# Altium PCB FPGA_SHIELD_MARK1_RA1_2.PcbDoc (part 2 of 4)
Units mil, origin at the board's own origin, x right, y up, seen from the top; angles counter-clockwise.
Board outline 3471 x 2686 mil, 4 copper layers (Top Layer, GND, VDD, Bottom Layer); 176 components, 185 nets, 820 pads, 591 vias.
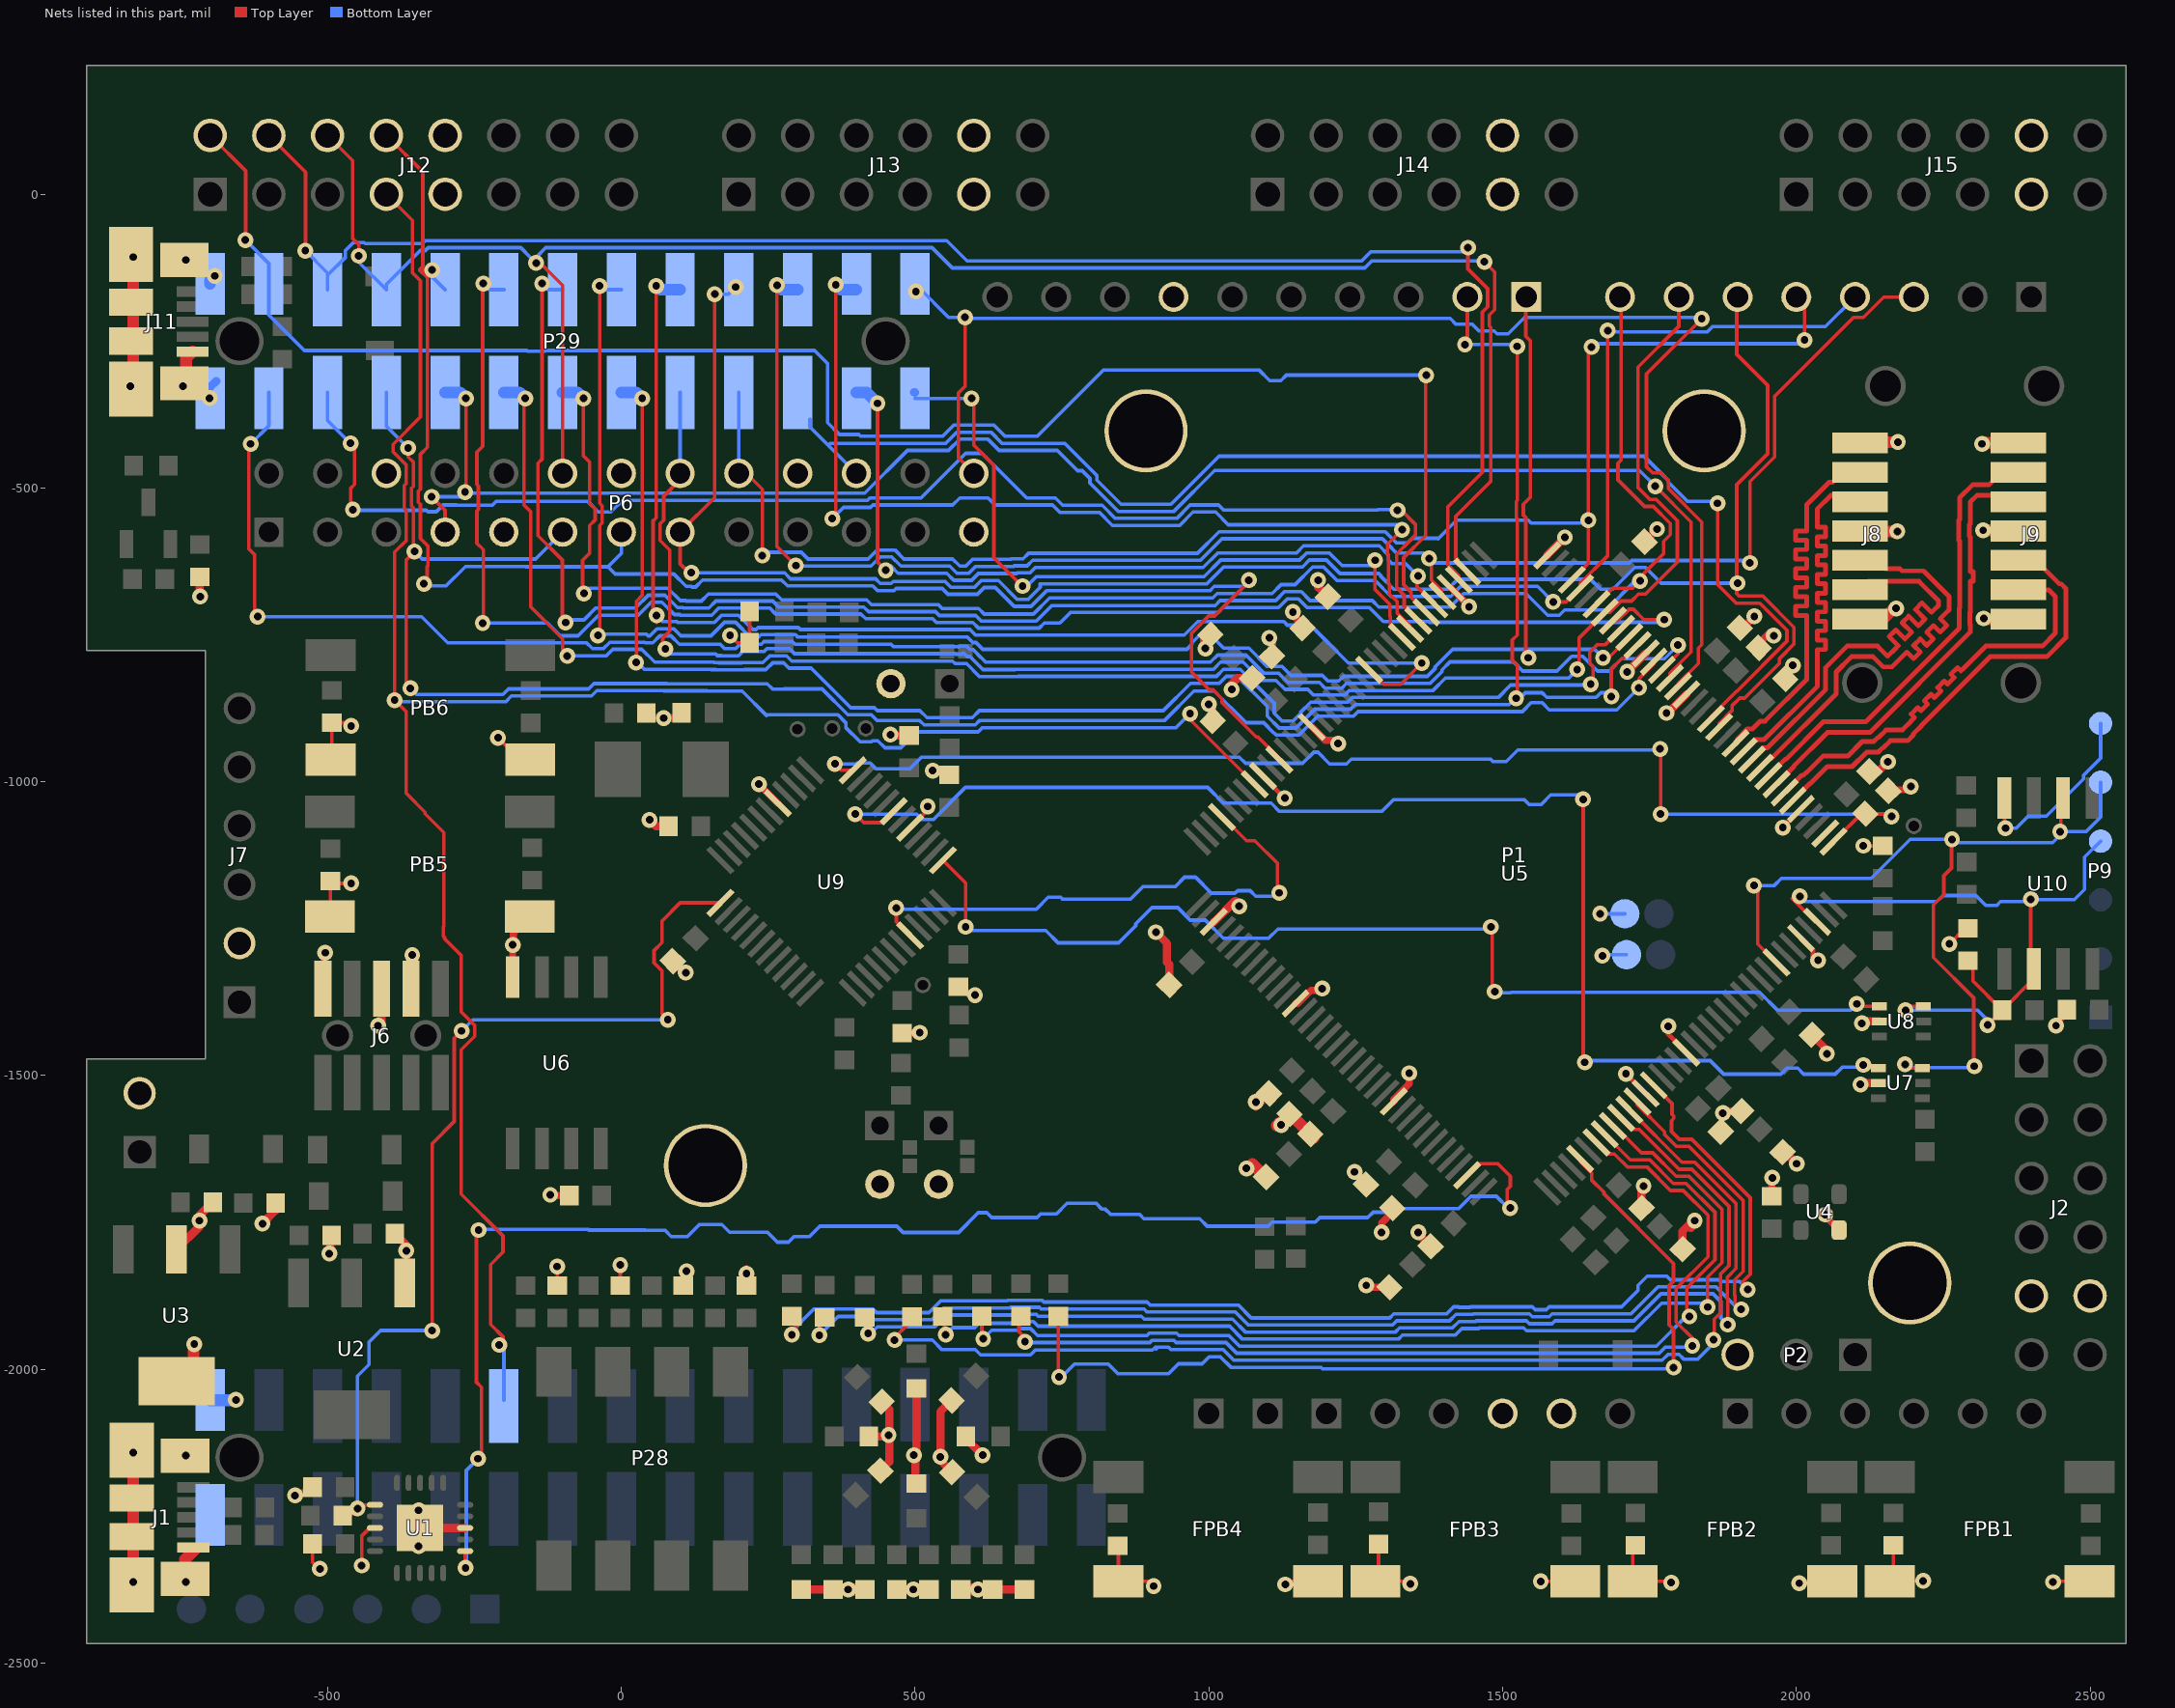
[diagram p4: the nets of this part, all layers, seen from the top]

## Via types
v1: diameter 27, hole 13, Top Layer to Bottom Layer, 574 vias
v2: diameter 27, hole 13, Top Layer to Bottom Layer, tented both sides, 17 vias

## Nets (pads, with @x,y where several pads share a name; then routed paths per layer and width w, separated by ;. In a path a pad name is that pad's centre, name@x,y a point inside that pad or via, vN(x,y) a via of type N, cw(c..) or ccw(c..) an arc to the next point about the centre after c; other vN are vias at no path point) (continued)
FPGA_SLAVE_CFG_CCLK: P9.4 R31.2 R34.1 U5.70 U8.6 U10.6 | length 1210.7
  Top Layer w6: v1(2006,-1195) 2002,-1199 1993,-1199 2032.12,-1238.12 U5.70@2035.63,-1238.12 ; v1(2186,-1389) 2192.59,-1382.41 U8.6@2215.92,-1382.41 ; R34.1@2301,-1306.56 2301,-1339.56 R31.2@2350.44,-1389 ; v1(2325.5,-1413.94) R31.2@2350.44,-1389 ; v1(2399,-1200) 2399,-1287.32 2400,-1288.32 U10.6@2400,-1318.67 ; U10.6@2404,-1318.67 2404,-1335.44 R31.2@2350.44,-1389
  Bottom Layer w6: v1(2006,-1195) 2015,-1204 2239.18,-1204 2249.68,-1193.5 2305.84,-1193.5 2322.68,-1210.34 2341.32,-1210.34 2347.66,-1204 2395,-1204 v1(2399,-1200) 2399.5,-1200.5 2473.32,-1200.5 2490.5,-1183.32 2490.5,-1128.5 P9.4@2518,-1101 ; v1(2186,-1389) 2309,-1389 v1@2328,-1408
FPGA_SLAVE_CFG_DIN: P9.5 U5.65 U7.6 U10.2 | length 1485.9
  Top Layer w6: v1(1928.01,-1176.5) 1934.5,-1182.99 1934.5,-1276.19 U5.65@1966.03,-1307.72 ; v1(2185,-1481) 2191.41,-1487.41 U7.6@2214.4,-1487.41 ; v1(2265,-1098) 2264.27,-1098.73 2264.27,-1146.73 2251,-1160 2251,-1192.18 2233.5,-1209.68 2233.5,-1299.32 2302,-1367.82 v1@2302,-1489.17 ; v1@2450,-1085 U10.2@2450,-1037
  Bottom Layer w6: v1(1928.01,-1176.5) 1962.53,-1176.5 1974.53,-1164.5 2127.47,-1164.5 2193.97,-1098 v1(2265,-1098) 2270.5,-1103.5 2436.5,-1103.5 v1@2453,-1087 ; v1(2185,-1481) 2183,-1481 2188.5,-1486.5 2300.5,-1486.5 v1(2303,-1484) ; v1@2453,-1085 2492.99,-1085 2518,-1059.99 P9.5@2518,-1001
  other v1: 2449,-1085
FPGA_SUSPEND: R38.2 U5.73 U9.48 | length 2106.7
  Top Layer w6: v1(363.51,-969.63) 374.41,-980.53 U9.48@394.09,-980.53 ; v1(1769,-1055) v1@1769,-944 ; U5.73@2063.47,-1101.71 R38.2@2115.51,-1049.67 ; R38.2@2120.51,-1054.67 2120.51,-1052.49 2122.69,-1054.67 2157.67,-1054.67 v1(2162,-1059)
  Bottom Layer w6: v1(363.51,-969.63) 399.49,-969.63 401.12,-968 423.58,-968 433.77,-978.19 490.73,-978.19 510.91,-958 1051.82,-958 1062.32,-968.5 1159.68,-968.5 1178.68,-949.5 1185.71,-949.5 1205.71,-969.5 1234.29,-969.5 1242.35,-961.44 1479.62,-961.44 1483.68,-965.5 1506.3,-965.5 1525.8,-946 1766,-946 v1(1768,-944) ; v1(1769,-1055) 2156,-1055 v1@2157,-1054
FPGA_TX: U1.1 U5.34 | length 2643.7
  Top Layer w6: U1.1@-265.79,-2309.37 -265.79,-2336.21 v1@-264,-2338 ; v1(-265.17,-2338) v1@-264,-2338 ; v1@-264.58,-2337.42 v1@-264,-2338 ; v1(-244,-2152) -238.07,-2146.07 -238.07,-2030.53 -246.69,-2021.9 -246.69,-1766.69 v1(-243,-1763) ; U5.34@1439.88,-1669.63 1459.32,-1650.19 1491.89,-1650.19 1513.07,-1671.37 1513.07,-1688.76 1508,-1693.84 v1@1508,-1725.49
  Bottom Layer w6: v1(-265.17,-2338) -264,-2338 -264,-2172 v1(-244,-2152) ; v1(-243,-1763) -241.5,-1761.5 -56.71,-1761.5 -55.21,-1763 37,-1763 ; 40.07,-1763 37,-1763 ; v1(1513,-1725.49) 1509.31,-1725.49 1489.32,-1705.5 1446.29,-1705.5 1425.29,-1726.5 1315.71,-1726.5 1309.71,-1732.5 1279.71,-1732.5 1270.61,-1741.6 1189,-1741.6 1181.1,-1749.5 1107.86,-1749.5 1100.86,-1756.5 997.32,-1756.5 984.32,-1743.5 889.2,-1743.5 882.2,-1736.5 833,-1736.5 824,-1727.5 818.23,-1727.5 808.23,-1717.5 758.74,-1717.5 740.74,-1735.5 713.8,-1735.5 707.8,-1741.5 630.32,-1741.5 622.32,-1733.5 607.47,-1733.5 573.97,-1767 479.73,-1767 469.09,-1756.35 421.94,-1756.35 421.8,-1756.5 337.71,-1756.5 320.21,-1774 293.82,-1774 284.32,-1783.5 265.68,-1783.5 248.68,-1766.5 184.26,-1766.5 171.26,-1753.5 132.74,-1753.5 112.24,-1774 84.94,-1774 74.44,-1763.5 37.5,-1763.5 37,-1763
FTDI_RST: R5.2 U1.11 U9.13 | length 1652.3
  Top Layer w6: R5.2@-474.44,-2248.78 -461.19,-2248.78 v1(-449.14,-2236.73) ; v1@-449.14,-2230.63 U1.11@-419.33,-2230.63 ; v1(-322,-1934) -321.73,-1933.73 -321.73,-1799.44 -322,-1799.18 -322,-1615.73 -284.5,-1578.23 -284.5,-1436.5 v1(-272,-1424) ; v1(79,-1405) 69,-1395 69,-1321.66 55.55,-1308.2 55.55,-1287.29 69,-1273.84 69,-1237.19 100.16,-1206.03 U9.13@168.6,-1206.03
  Bottom Layer w6: v1(-449.14,-2236.73) -449.14,-2013.13 -449.14,-2011.41 -429.5,-1991.77 -429.5,-1953.68 -409.82,-1934 v1(-322,-1934) ; v1(-272,-1424) -253,-1405 v1(79,-1405)
GND: C1.1 C2.2 C3.2 C4.2 C5.2 C6.1 C7.1 C8.1 C9.1 C10.1 C11.1 C12.1 C13.1 C14.1 C15.1 C16.1 C17.1 C18.1 C19.1 C20.1 C21.1 C22.1 C23.1 C24.1 C25.1 C26.1 C27.2 C28.2 C29.1 C30.2 C31.1 C32.1 C33.2 C34.1 C35.1 C36.1 C37.1 C38.1 C39.1 C40.1 C41.1 C42.1 C43.1 C44.1 C45.1 C46.1 C47.1 C48.1 DC1.C DC2.C DC3.C DC4.C DC5.C DC6.C DC7.C DC8.C DC9.C DC10.C DC11.C DC12.C DC13.C DC14.C DC15.C DC16.C DC17.C DC18.C FPB1.A FPB2.A FPB3.A FPB4.A J1.5 J2.5 J2.11 J5.2 J6.3 J6.5 J6.9 J7.2 J8.1 J8.4 J8.7 J9.1 J9.4 J9.7 J11.5 J12.5 J12.11 J13.5 J13.11 J14.5 J14.11 J15.5 J15.11 J16.2 J17.2 P1.A4 P1.A5 P1.D7 P2.3 P3.2 P4.2 P5.2 P6.6 P6.9 P6.14 P6.20 P6.25 P9.6 P28.1 P28.2 P29.1 P29.2 pad.M3 pad.M4 pad.M5 pad.M6 PB5.A PB6.A R9.2 R11.2 R13.2 R15.2 R33.1 R34.2 R37.2 R38.1 R45.1 U1.3 U1.13 U1.21 U2.1 U3.2 U3.4 U4.2 U5.3 U5.13 U5.25 U5.49 U5.54 U5.68 U5.77 U5.91 U5.96 U5.108 U5.113 U5.130 U5.136 U6.4 U7.2 U8.2 U9.5 U9.41 U10.4 | length 6993.8
  Top Layer w6: v1@-555,-2219 -555,-2215.16 v1(-555.5,-2214.66) v1@-550.66,-2214.66 ; C1.1@-525.56,-2297.06 -525.56,-2328.44 -519,-2335 v1@-519,-2334 ; C6.1@-525.56,-2200.5 C6.1@-532.5,-2200.5 ; J6.9@-508,-1352 -508,-1295 v1(-504,-1291) ; PB5.A@-496,-1229.42 -495,-1228.42 C31.1@-495,-1169.06 -491.06,-1173 v1(-459.97,-1173) ; PB6.A@-495,-962.42 -493,-960.42 C39.1@-493,-899.56 -465.41,-899.56 v1(-459.97,-905) ; v1(-442,-2334) -442.11,-2333.89 -442.11,-2283.92 -428.19,-2270 U1.13@-419.33,-2270 ; v1(-414,-1415) v1@-413.36,-1414.36 ; J6.3@-358,-1352 -358,-1297 v1(-356,-1295) v1@-357,-1294 ; v1(-210,-925) -172.58,-962.42 PB6.A@-155,-962.42 ; R9.2@-109.29,-1857.44 v1(-109.29,-1825) ; R11.2@-1.86,-1857.44 v1(-1.86,-1822.23) ; R13.2@105.57,-1857.44 105.57,-1847.43 120,-1833 v1(111,-1833) ; v1(185,-751) 197.53,-763.53 DC17.C@218.06,-763.53 218.44,-763.15 DC18.C@218.44,-709.8 ; v1(213,-1837) R15.2@213,-1857.44 v1@213,-1825 ; U9.41@491.53,-1077.97 521.47,-1048.03 v1@521.47,-1044.71 ; v1@521,-1045.17 v1@521.47,-1044.71 ; v1(521.47,-1041.95) v1@521.47,-1044.71 ; v1(530,-981) 529.45,-981 527.76,-982.69 555.35,-982.69 C33.2@557.79,-985.13 ; C2.2@845,-2299 846,-2300 FPB4.A@846,-2361 898,-2361 v1(906,-2369) ; v1@1130,-2360 v1(1130,-2366) 1135,-2361 FPB4.A@1186,-2361 ; FPB3.A@1283.67,-2361 FPB3.A@1289,-2361 ; C3.2@1289,-2297.56 FPB3.A@1289,-2361 ; v1@1347,-2364 1346,-2365 v1(1343,-2365) 1339,-2361 FPB3.A@1289,-2361 ; v1(1565,-2361) FPB3.A@1623.67,-2361 ; FPB2.A@1712,-2359.67 1710.67,-2361 FPB2.A@1721.33,-2361 ; C4.2@1727,-2303 1721.33,-2308.67 FPB2.A@1721.33,-2361 ; v1(1787,-2363) 1785,-2361 FPB2.A@1721.33,-2361 ; v1(2005,-2364) 2008,-2361 FPB2.A@2061.33,-2361 ; v1(2114,-1109) 2114.11,-1109.11 R37.2@2147,-1109.11 ; C5.2@2158,-2300.56 2165,-2307.56 2165,-2355 FPB1.A@2159,-2361 2215,-2361 v2(2216,-2360) ; v1@2261,-1273 2260.5,-1273.5 v1(2260.5,-1276) 2287.06,-1249.44 R34.2@2292,-1249.44 ; U10.4@2354,-1027.33 2354,-1077 v1(2356,-1079) ; v2(2437,-2362) 2438,-2361 FPB1.A@2499,-2361 ; v1(2442,-1415) 2460.44,-1396.56 C28.2@2460.44,-1388 ; v1@-550.66,-2214.66 -546.66,-2214.66 C6.1@-532.5,-2200.5 ; v1@-550.66,-2214.66 -536.5,-2200.5 C6.1@-532.5,-2200.5
  Top Layer w8: U5.136@1091.89,-990.36 v1(1129.4,-1027.87) ; v1(1710,-1497.11) U5.49@1743.32,-1530.43 ; v1(1782,-1416) 1782,-1429.92 U5.54@1812.92,-1460.84 ; v2@1977,-1076.82 U5.77@2007.79,-1046.04 ; U5.68@2007.79,-1265.96 2007.96,-1265.96 2028.23,-1286.23 2028.23,-1304.23 v1@2036,-1312
  Top Layer w12: U6.4@-185,-1332.75 v1(-185,-1277.7) -184,-1276.7 -184,-1257.42 PB5.A@-156,-1229.42 ; PB6.A@-155,-962.42 PB6.A@-150.43,-966.98 ; v1(-121,-1703) -120,-1704 C15.1@-88.56,-1704 ; v1(234,-1004) 266.03,-1036.03 U9.5@266.03,-1036.21 ; C27.2@478,-1427.56 507.38,-1427.56 v1(507.94,-1427) ; C30.2@573.67,-1349.06 578.52,-1349.06 592.46,-1363 v1(602,-1363) 597.46,-1367.54 v1@597.46,-1368 ; v1@993,-870.49 993.51,-870.49 v1@998,-866 ; v1(1000,-868) v1@998,-866 ; C36.1@1006.51,-896.37 1006.51,-874.51 v1@998,-866 ; U5.13@1147.57,-1377.32 1151.48,-1377.32 1173.92,-1354.88 1188.12,-1354.88 1192,-1351 v1(1193,-1352) ; U5.130@1175.41,-906.84 1175.84,-906.84 1198.28,-929.28 1222.69,-929.28 1220,-931.97 v1(1220,-935) ; v1@1267,-1856.09 1267.1,-1856.09 v1@1271.5,-1860.49 ; v1(1268.01,-1856.99) v1@1271.5,-1860.49 ; v1(1294,-1767) 1294,-1751 1312.51,-1732.49 C13.1@1312.51,-1725.49 ; C7.1@1307.51,-1860.49 v1@1271.5,-1860.49 ; U5.25@1314.6,-1544.35 1314.6,-1540.44 1341,-1514.04 v1(1341,-1496) 1346.68,-1501.68 v1@1347.08,-1501.68 ; C11.1@1373.57,-1786.55 C11.1@1377.51,-1790.49 ; U5.113@1412.04,-670.21 1443.83,-702 v2(1443,-702) ; v2(1875,-1564) 1874,-1563 1876.51,-1560.49 C24.1@1906.49,-1560.49 ; C46.1@1904.01,-737.93 1909.01,-737.93 v1(1928.53,-718.42) 1928.53,-719.42 C46.1@1906.01,-741.93 ; C43.1@1936.01,-771.93 1936.01,-764.93 v2@1955.53,-745.42 ; C12.1@1958,-1705.44 1958,-1675 v1(1959,-1674) ; C40.1@1981.01,-824.93 1981.01,-821.93 2000.53,-802.42 2000.11,-802 v2(1994,-802) ; C26.1@2026.49,-1430.49 2052,-1456 v2(2052,-1463) ; v1(2049,-1736.71) 2049,-1739.25 U4.2@2072.75,-1763 ; R38.1@2159.49,-1013.51 2189.49,-1013.51 v1(2195,-1008)
  Top Layer w14: U3.2@-757,-1795.8 v1@-718,-1756.8 ; v1(-718,-1747) v1@-718,-1756.8 ; R45.1@-717.55,-651.56 -717.55,-684.26 v1(-716.92,-684.89) ; C16.1@-703,-1723 -718,-1738 v1@-718,-1756.8 ; v1(-611,-1752) -588.44,-1729.44 C17.1@-588.44,-1717 ; C17.1@-584.44,-1717 C17.1@-584.44,-1716 ; v1(-497,-1803) -495.44,-1801.44 C9.1@-495.44,-1770 ; v1@-412,-1415.73 -408,-1411.73 J6.5@-408,-1352 ; C10.1@-385.44,-1769 -366,-1788.44 U2.1@-366,-1849 ; U1.21@-345,-2305.99 v1(-345,-2301) -342.56,-2298.56 U1.21@-342.56,-2270 ; v1(-345,-2240) -342.56,-2242.44 U1.21@-342.56,-2270 ; U1.3@-265.79,-2270 U1.21@-342.56,-2270 ; C37.1@42.56,-891.69 v1(72.02,-891.69) C38.1@102.44,-891.69 ; v1(48,-1064.69) 59.31,-1076 C32.1@80.44,-1076 ; R33.1@87.51,-1305.17 107.34,-1325 v1(109.68,-1325) ; DC1.C@306.17,-2374.7 DC2.C@360.45,-2374.7 v1(386.03,-2374.7) ; DC12.C@421.53,-2114 454.09,-2114 v1@455.92,-2112.17 ; DC11.C@440.88,-2172.46 455.92,-2157.42 v1@455.92,-2112.17 ; DC14.C@442.88,-2054.88 455.92,-2067.92 v1@455.92,-2112.17 ; v1@455.54,-2112.54 v1@455.92,-2112.17 ; v1(458,-919.69) 459.44,-921.13 C35.1@490,-921.13 ; v1@500,-2150 498,-2148 v1(498,-2146) v1@500.5,-2143.5 ; v1@500.5,-2146 v1@500.5,-2143.5 ; DC9.C@502,-2194.47 500.5,-2192.97 v1@500.5,-2143.5 ; DC16.C@502,-2032.53 502,-2142 v1@500.5,-2143.5 ; DC15.C@562.12,-2052.88 543,-2072 v1(543,-2149) 543,-2155.02 DC10.C@563.1,-2175.12 ; DC13.C@586.47,-2114 586.47,-2117.75 615,-2146.28 v1(615,-2146) ; v1(607,-2374.7) DC7.C@631.88,-2374.7 DC8.C@686.17,-2374.7 ; v1(910,-1256) 929,-1275 929,-1307 932.51,-1310.51 C29.1@932.51,-1345.49 ; U5.3@1008.37,-1238.12 1009.34,-1238.12 v1@1044.47,-1203 ; v1(1039,-843) 1039,-833 1048.49,-823.51 C41.1@1073.51,-823.51 ; v1@1043.53,-1203.94 v1@1044.47,-1203 ; v1(1051.59,-1212) 1050,-1212 1046,-1208 1046,-1203 v1@1044.47,-1203 ; v1(1080,-1545) 1080,-1553 C25.1@1102.51,-1530.49 ; v1(1103,-755) 1107.51,-759.51 C42.1@1107.51,-786.51 ; v1(1143,-711) 1142,-711 1140,-713 1159.51,-732.51 C45.1@1159.51,-738.51 ; v1(1186,-657) 1186,-668.68 C47.1@1202.51,-685.19 ; v1@1250,-1665.5 1248.5,-1664 v1(1248,-1664) 1267.51,-1683.51 C18.1@1267.51,-1685.49 ; v1(1356.36,-1767) 1356.36,-1769.33 C11.1@1373.57,-1786.55 ; U5.108@1576.29,-614.53 1576.29,-613.71 v1(1606,-584) ; v2(1712,-813) 1712,-812.89 U5.96@1743.32,-781.57 ; C14.1@1736.49,-1725.49 1736.49,-1699.51 1742,-1694 1740,-1692 v1(1740,-1688) ; C48.1@1741.49,-591.51 v1(1763,-570) ; v2(1779,-883) 1781.08,-883 U5.91@1812.92,-851.17 ; C8.1@1806.49,-1795.49 1806.49,-1764.89 1816.38,-1755 1820.38,-1759 1821,-1759 1821,-1753 v1(1827,-1747) ; C20.1@1976.49,-1630.49 1981.01,-1630.49 v1(2000.53,-1650) ; v2(1977,-1078) v2@1977,-1076.82 ; v1(2108.93,-1515) 2110.93,-1513 U7.2@2139.6,-1513 ; v1(2111.56,-1411) 2114.56,-1408 U8.2@2141.12,-1408 ; C34.1@2124.49,-982.51 2139.49,-982.51 v1(2156,-966) 2157.67,-967.67 v1@2157.67,-968
  Top Layer w20: J1.5@-836,-2142 -831,-2147 v1(-831,-2362) -833.36,-2364.36 J1.5@-833.36,-2366.67 ; J11.5@-834.36,-331.67 -834.36,-328.64 v1(-836,-327) -831,-322 J11.5@-831,-112 ; J11.5@-834.36,-102.33 -834.36,-103.64 v1(-831,-107) ; J1.5@-833.36,-2137.33 -833.36,-2139.64 v1(-831,-2142) ; v1(-746,-327) -741,-322 -741,-279.54 J11.5@-729.64,-268.18 ; J11.5@-743.81,-112.18 -741.18,-112.18 v1(-741,-112) ; J1.5@-742.81,-2356.82 -742.81,-2323.81 J1.5@-726,-2307 ; J1.5@-742.81,-2147.18 -741.18,-2147.18 v1(-741,-2147) ; U3.4@-728,-2018.2 -728,-1958 v1(-727,-1957) ; PB5.A@-184,-1243.42 PB5.A@-169,-1228.42 ; v1(386.03,-2374.7) DC3.C@414.74,-2374.7 ; v1(497,-2374.7) DC5.C@523.31,-2374.7 ; DC6.C@577.6,-2374.7 v1(607,-2374.7) ; v1(994,-773) 995,-774 995,-757.63 C44.1@1002.74,-749.89 ; v1(1064,-1658) 1065,-1659 1065.5,-1659 1074,-1650.5 1095.99,-1672.49 C19.1@1097.51,-1672.49 ; v1(1123,-1584) 1120,-1581 1116,-1585 1118,-1585 C23.1@1137.51,-1565.49 1138.51,-1565.49 C21.1@1172.51,-1599.49 C21.1@1179.02,-1606 ; J8.7@2108.35,-723.29 2147.71,-723.29 2166,-705 v1(2170,-705) ; J8.4@2108.35,-573.29 2109.06,-574 v1(2172,-574) ; J8.1@2108.35,-423.29 2109.64,-422 v1(2173,-422) ; v1(2316,-425) 2317.71,-423.29 J9.1@2378.35,-423.29 ; v1(2318,-572) 2377.06,-572 J9.4@2378.35,-573.29 ; v1(2319,-722) 2320.29,-723.29 J9.7@2378.35,-723.29
  Bottom Layer w6: v1(1666,-1224.74) J17.2@1708,-1224.74 ; v1(1670,-1296) 1671.61,-1294.39 J16.2@1711,-1294.39 ; v1(2356,-1079) 2374.18,-1079 2394.68,-1058.5 2425.78,-1058.5 2489,-995.28 2489,-988.99 2518,-959.99 P9.6@2518,-901
  Bottom Layer w14: P29.1@-700,-328.54 P29.1@-689.57,-318.11
  Bottom Layer w20: v1(-701,-347) -700.5,-347 P29.1@-700,-347.5 ; P28.2@-700,-2052.5 -656.5,-2052.5 v1(-656,-2052) ; P29.2@-700,-152.5 -700,-147 v1(-692,-139)
  other v1: -741,-2362 -513,-2339.5 455,-2112 -366,-1798 2037,-1304
  other v2: 1961.53,-751.42
GPIO_31: U5.74
GPMC_AD0: P29.25 U5.119 | length 1236.2
  Top Layer w6: v1(596,-347.5) 600,-351.5 600,-426.92 634,-460.92 634,-619 v1@675,-660 ; v1(1283,-623) 1283,-672.88 1308.4,-698.29 1308.4,-717.82 1309.18,-718.59 1309.08,-718.68 1309.08,-734.29 U5.119@1328.52,-753.73
  Bottom Layer w6: P29.25@500,-347.5 v1(596,-347.5) ; v1(683,-667) 682.23,-667.77 689.46,-667.77 706.23,-651 991.71,-651 1020.21,-622.5 1154.32,-622.5 1166.32,-610.5 1205.26,-610.5 1226.76,-632 1283,-632 v1(1283,-623)
  Bottom Layer w14: P29.25@498.43,-336.81 499.31,-336.81 P29.25@500,-337.5
GPMC_AD1: P29.24 U5.118 | length 1655.2
  Top Layer w6: v1(359,-552) 365,-546 v1(365,-154) ; 1304.32,-595.53 1304.32,-612.5 1305.5,-613.68 1305.5,-661.71 1307.5,-663.71 1307.5,-680.41 1320.4,-693.32 1320.4,-712.85 1342.44,-734.88 U5.118@1342.44,-739.81 ; 1307.5,-592.5 v1(1329,-571)
  Bottom Layer w6: v1(359,-552) 378,-533 424.02,-533 428.02,-529 563.98,-529 575.98,-517 624.02,-517 636.02,-529 733.82,-529 746.22,-541.4 813.51,-541.4 835.84,-563.73 950.38,-563.73 973.11,-541 1011.5,-541 1033,-562.5 1320.5,-562.5 v1(1329,-571)
  Bottom Layer w20: v1(365,-154) 373.5,-162.5 P29.24@400,-162.5
GPMC_AD2: P29.5 U5.117 | length 2350.6
  Top Layer w6: v1(-461,-424) -454,-431 -454,-494.05 -461,-501.05 -461,-535 -458,-538 v1(-457,-537) ; v1@1326.5,-538 1327.82,-538 1351.5,-561.68 1351.5,-580.32 1342.26,-589.56 1319.5,-612.32 1319.5,-669.57 1332.4,-682.47 1332.4,-701.93 U5.117@1356.36,-725.89
  Bottom Layer w6: P29.5@-500,-337.5 -500,-385 v1(-461,-424) ; v1(-457,-537) -458,-538 -331.82,-538 -329.32,-540.5 -315.08,-540.5 -303.58,-529 -280.95,-529 -280.45,-529.5 -219.55,-529.5 -212.55,-522.5 -57.68,-522.5 -39.18,-541 -17.92,-541 2.08,-521 419.05,-521 423.05,-517 509.92,-517 585.92,-441 614.08,-441 690.08,-517 738.79,-517 751.19,-529.4 818.48,-529.4 840.81,-551.73 945.41,-551.73 968.14,-529 1016.47,-529 1024.97,-537.5 1287.32,-537.5 1287.82,-537 1320.08,-537 v1(1321.08,-538)
GPMC_AD3_PMOD1_8: J12.8 P29.6 U5.112 | length 2916.7
  Top Layer w6: J12.8@-600,100 -537.5,37.5 v1@-537.5,-96 ; U5.112@1425.96,-656.29 1425.96,-649.93 1406.52,-630.49 1406.52,-532.48 1465.5,-473.5 1465.5,-200.71 1474.5,-191.71 1474.5,-160.71 1441,-127.21 v1(1441,-91)
  Bottom Layer w6: v1(-538,-96) -500,-134 P29.6@-500,-138 ; P29.6@-500,-162.5 P29.6@-500,-138 ; v1(1441,-91) 1434,-98 1275.82,-98 1260.32,-113.5 588.5,-113.5 554,-79 -333.7,-79 -338.7,-84 -436.18,-84 -437.68,-82.5 -456.32,-82.5 -469.5,-95.68 -469.5,-107.5 P29.6@-500,-138
GPMC_AD4: P29.23 U5.115 | length 1360.6
  Top Layer w6: v1(436,-356) 436,-626 v1(450,-640) ; v1(1356,-650) 1356,-648 1354,-646 1354,-667.85 U5.115@1384.2,-698.05
  Bottom Layer w6: v1@459.01,-633 471.01,-645 554.03,-645 566.03,-657 596.24,-657 607.74,-645.5 672.68,-645.5 673.68,-644.5 695.76,-644.5 704.76,-635.5 990.24,-635.5 1015.24,-610.5 1149.34,-610.5 1161.34,-598.5 1290.32,-598.5 1305.5,-613.68 1305.5,-622.68 1311.32,-628.5 1334.5,-628.5 v1(1356,-650)
  Bottom Layer w20: P29.23@400,-337.5 417.5,-337.5 v1(436,-356)
GPMC_AD5: P1.C3 P29.22 U5.114 | length 2895.7
  Top Layer w6: v1(265,-155) 265,-600 v1(297,-632) ; v1(1375,-620) 1378.68,-623.68 1378.68,-656.54 1396,-673.86 U5.114@1396,-684 ; v1(1921,-627.5) 1921,-488.97 1963.01,-446.96 1963.01,-343.99 2097.5,-209.5 2114.29,-209.5 2148.79,-175 P1.C3@2200,-175
  Bottom Layer w6: v1(297,-632) 298,-633 425.18,-633 440.68,-617.5 460.48,-617.5 475.98,-633 559.01,-633 571.01,-645 591.27,-645 602.77,-633.5 667.71,-633.5 668.71,-632.5 690.79,-632.5 700.29,-623 985.77,-623 1022.27,-586.5 1295.29,-586.5 1304.32,-595.53 1319.29,-610.5 1365.5,-610.5 v1(1375,-620) 1382.5,-627.5 1715.71,-627.5 1719.71,-623.5 1917,-623.5 v1(1921,-627.5)
  Bottom Layer w20: v1(265,-155) 272.5,-162.5 P29.22@300,-162.5
GPMC_AD6: P29.3 U5.94 | length 3029.1
  Top Layer w6: v1(-631,-425) -634,-428 -634,-603.73 -624.5,-613.23 -624.5,-713.5 v1(-619,-719) ; U5.94@1771.16,-809.41 1798.57,-781.99 v1(1798.57,-767.49)
  Bottom Layer w6: v1(-631,-425) -600,-394 P29.3@-600,-337.5 ; v1(-619,-719) -340,-719 -295.5,-763.5 -59.32,-763.5 -49.32,-773.5 -30.68,-773.5 -19.68,-762.5 39.71,-762.5 40.71,-763.5 53.68,-763.5 65.68,-751.5 84.32,-751.5 98.82,-766 168.18,-766 175.68,-773.5 194.32,-773.5 201.82,-766 238.27,-766 242.77,-761.5 291.23,-761.5 295.73,-766 459,-766 463,-770 573.33,-770 574.21,-770.88 576.08,-769 587.33,-769 593.33,-775 598.77,-775 606.3,-782.53 606.3,-782.73 620.07,-796.5 1002.77,-796.5 1014.77,-784.5 1063.23,-784.5 1094.23,-815.5 1119.29,-815.5 1134.69,-830.89 1188.1,-830.89 1197.71,-840.5 1226.29,-840.5 1234.24,-832.55 1376.79,-832.55 1397,-812.34 1397,-809.38 1410.38,-796 1518.86,-796 1534.36,-811.5 1592.68,-811.5 1617.68,-786.5 1636.32,-786.5 1661.32,-811.5 1681.68,-811.5 1702.68,-790.5 1775.56,-790.5 v1(1798.57,-767.49)
GPMC_AD7_PMOD1_7: J12.7 P29.4 U5.116 | length 2972.6
  Top Layer w6: J12.7@-700,100 -639.5,39.5 v1@-639.5,-78 ; v1@1369,-308 1369,-581.03 1331.5,-618.53 1331.5,-664.6 1344.4,-677.5 1344.4,-686.09 U5.116@1370.28,-711.97
  Bottom Layer w6: v1(-640,-78) -600,-118 P29.4@-600,-152.5 -600,-205.81 -539.81,-266 -160.79,-266 -159.29,-267.5 -130.23,-267.5 -128.73,-266 328.73,-266 351,-288.27 351,-388.73 371.27,-409 404,-409 407,-412 547.03,-412 566.03,-393 633.97,-393 652.97,-412 708,-412 821,-299 1085.2,-299 1103.69,-317.49 1122.33,-317.49 1131.82,-308 v1(1370,-308)